# Altium PCB 电磁阀V4.0.PcbDoc (part 1 of 2)
Units mm, origin at the board's own origin, x right, y up, seen from the top; angles counter-clockwise.
Board outline 110.22 x 105.88 mm, 2 copper layers (Top Layer, Bottom Layer); 183 components, 127 nets, 583 pads, 106 vias.
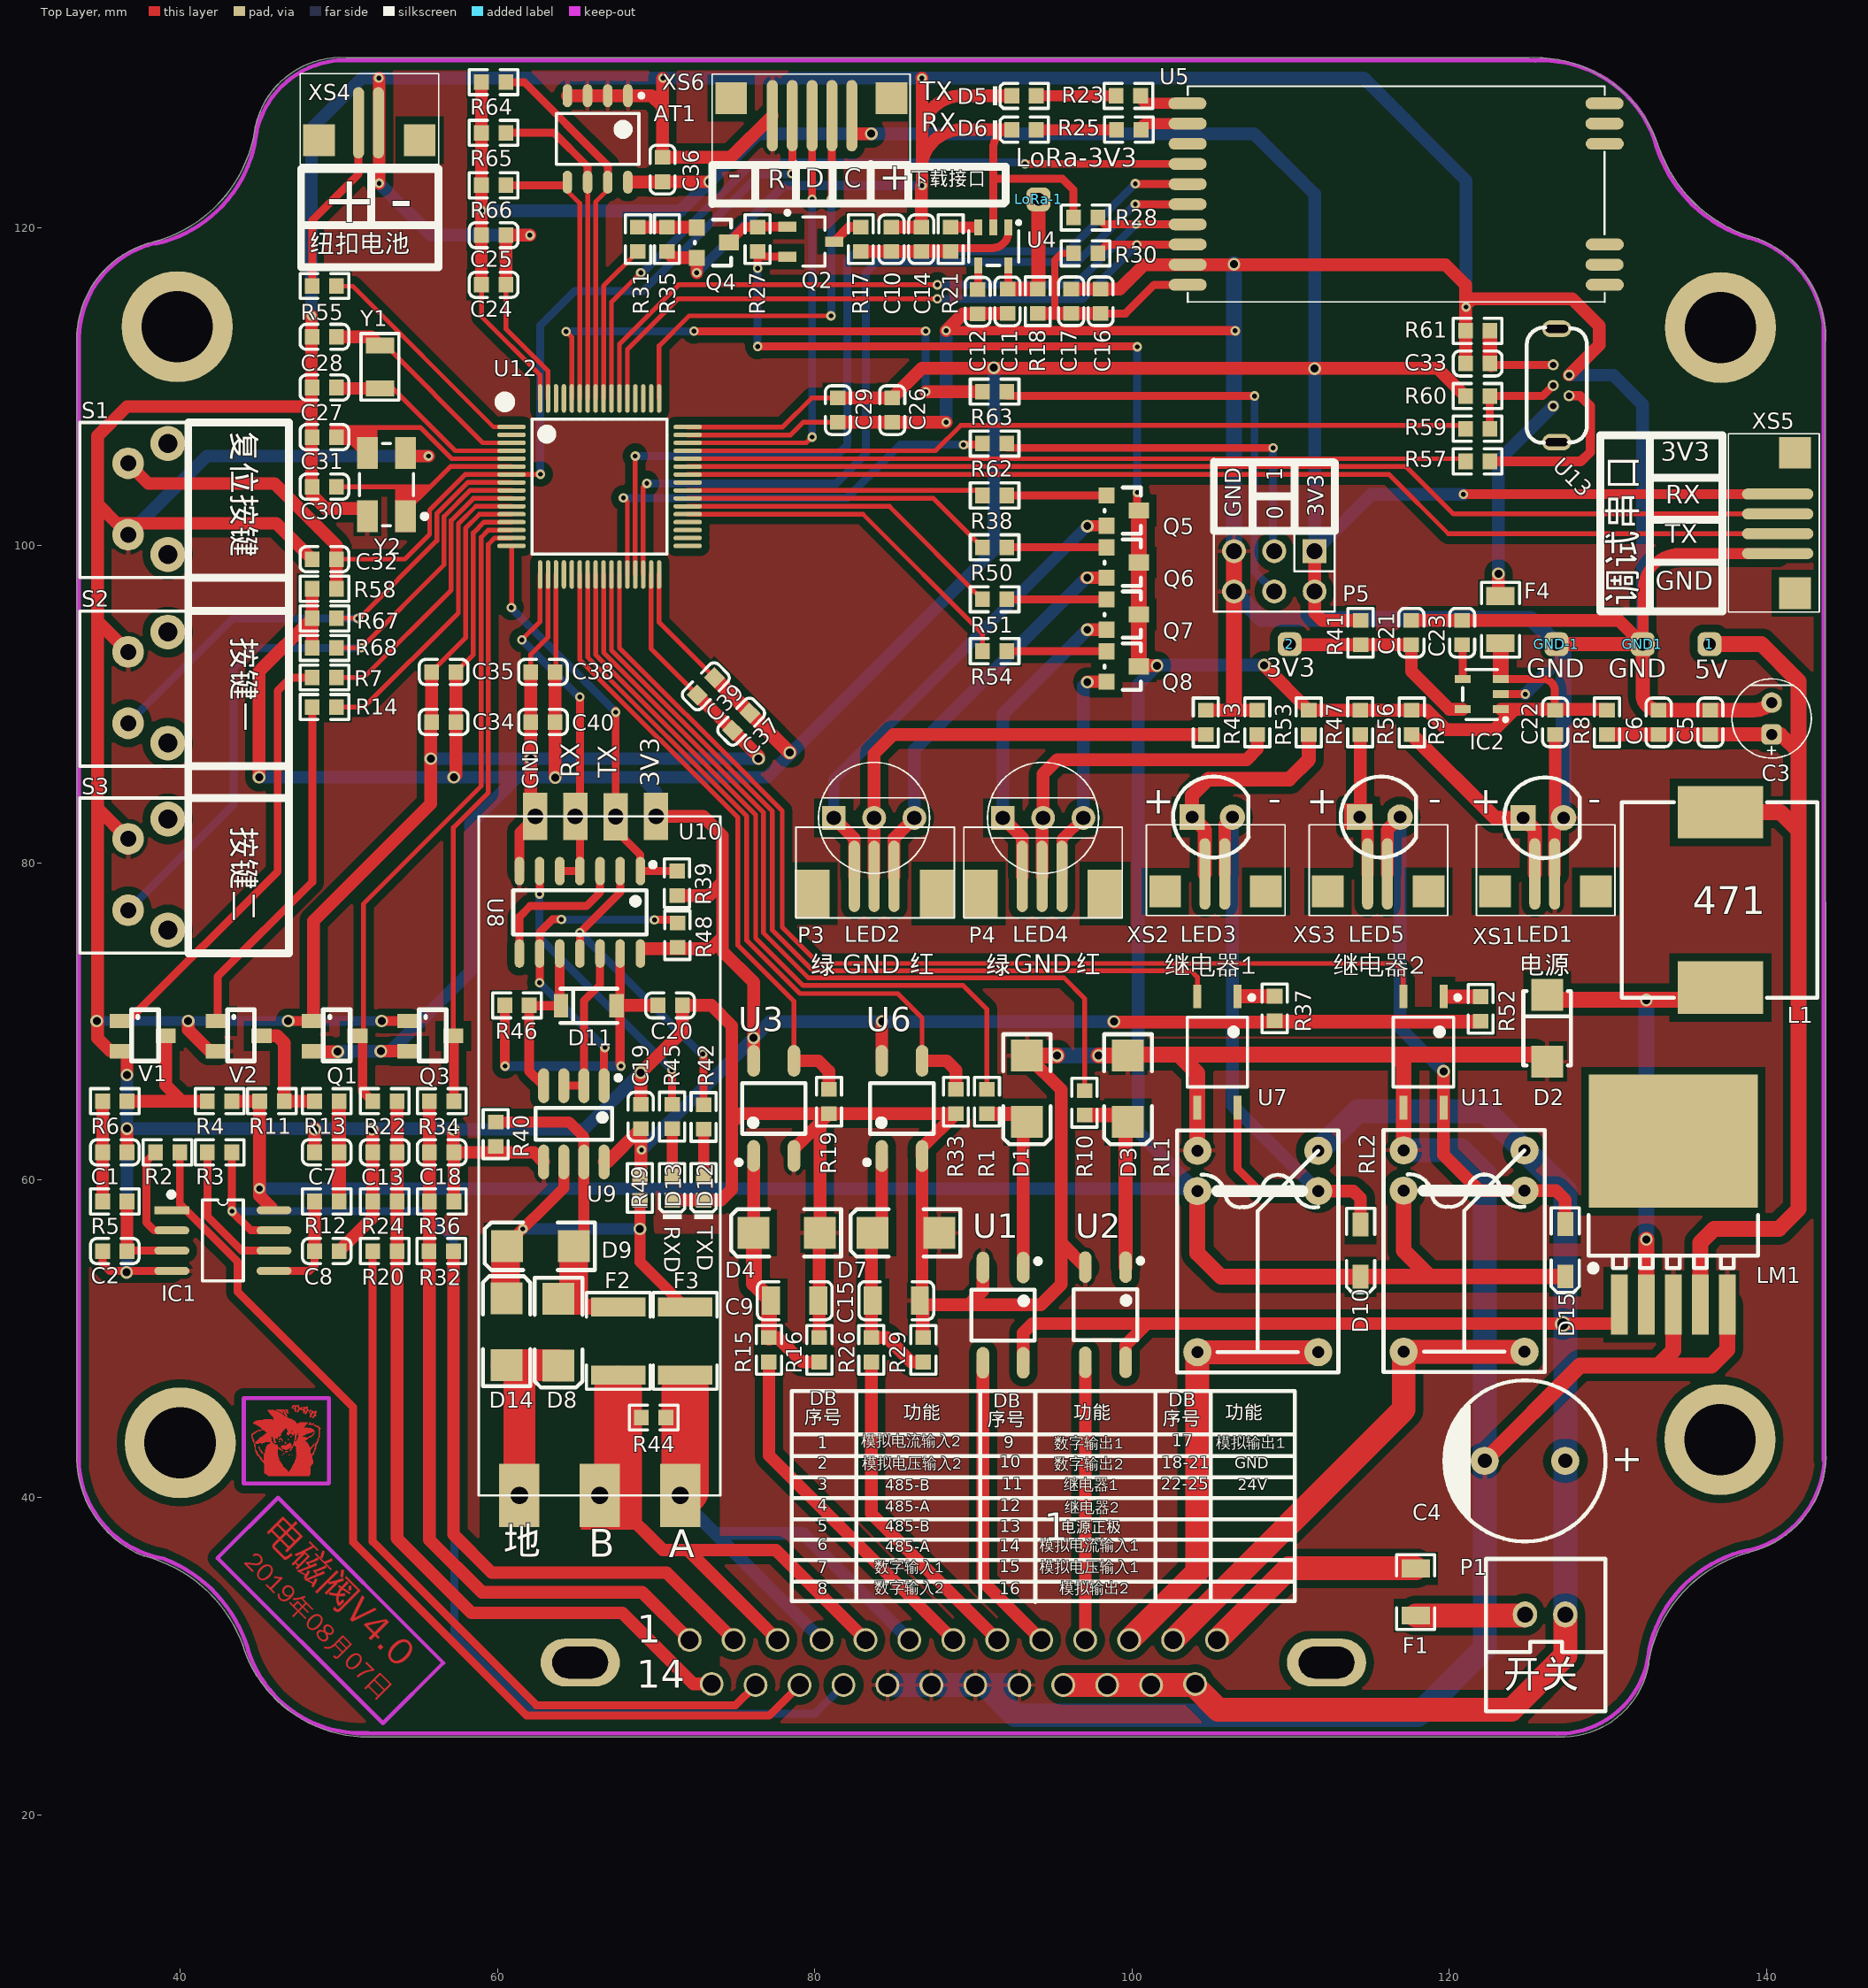
[diagram p0: Top Layer view]
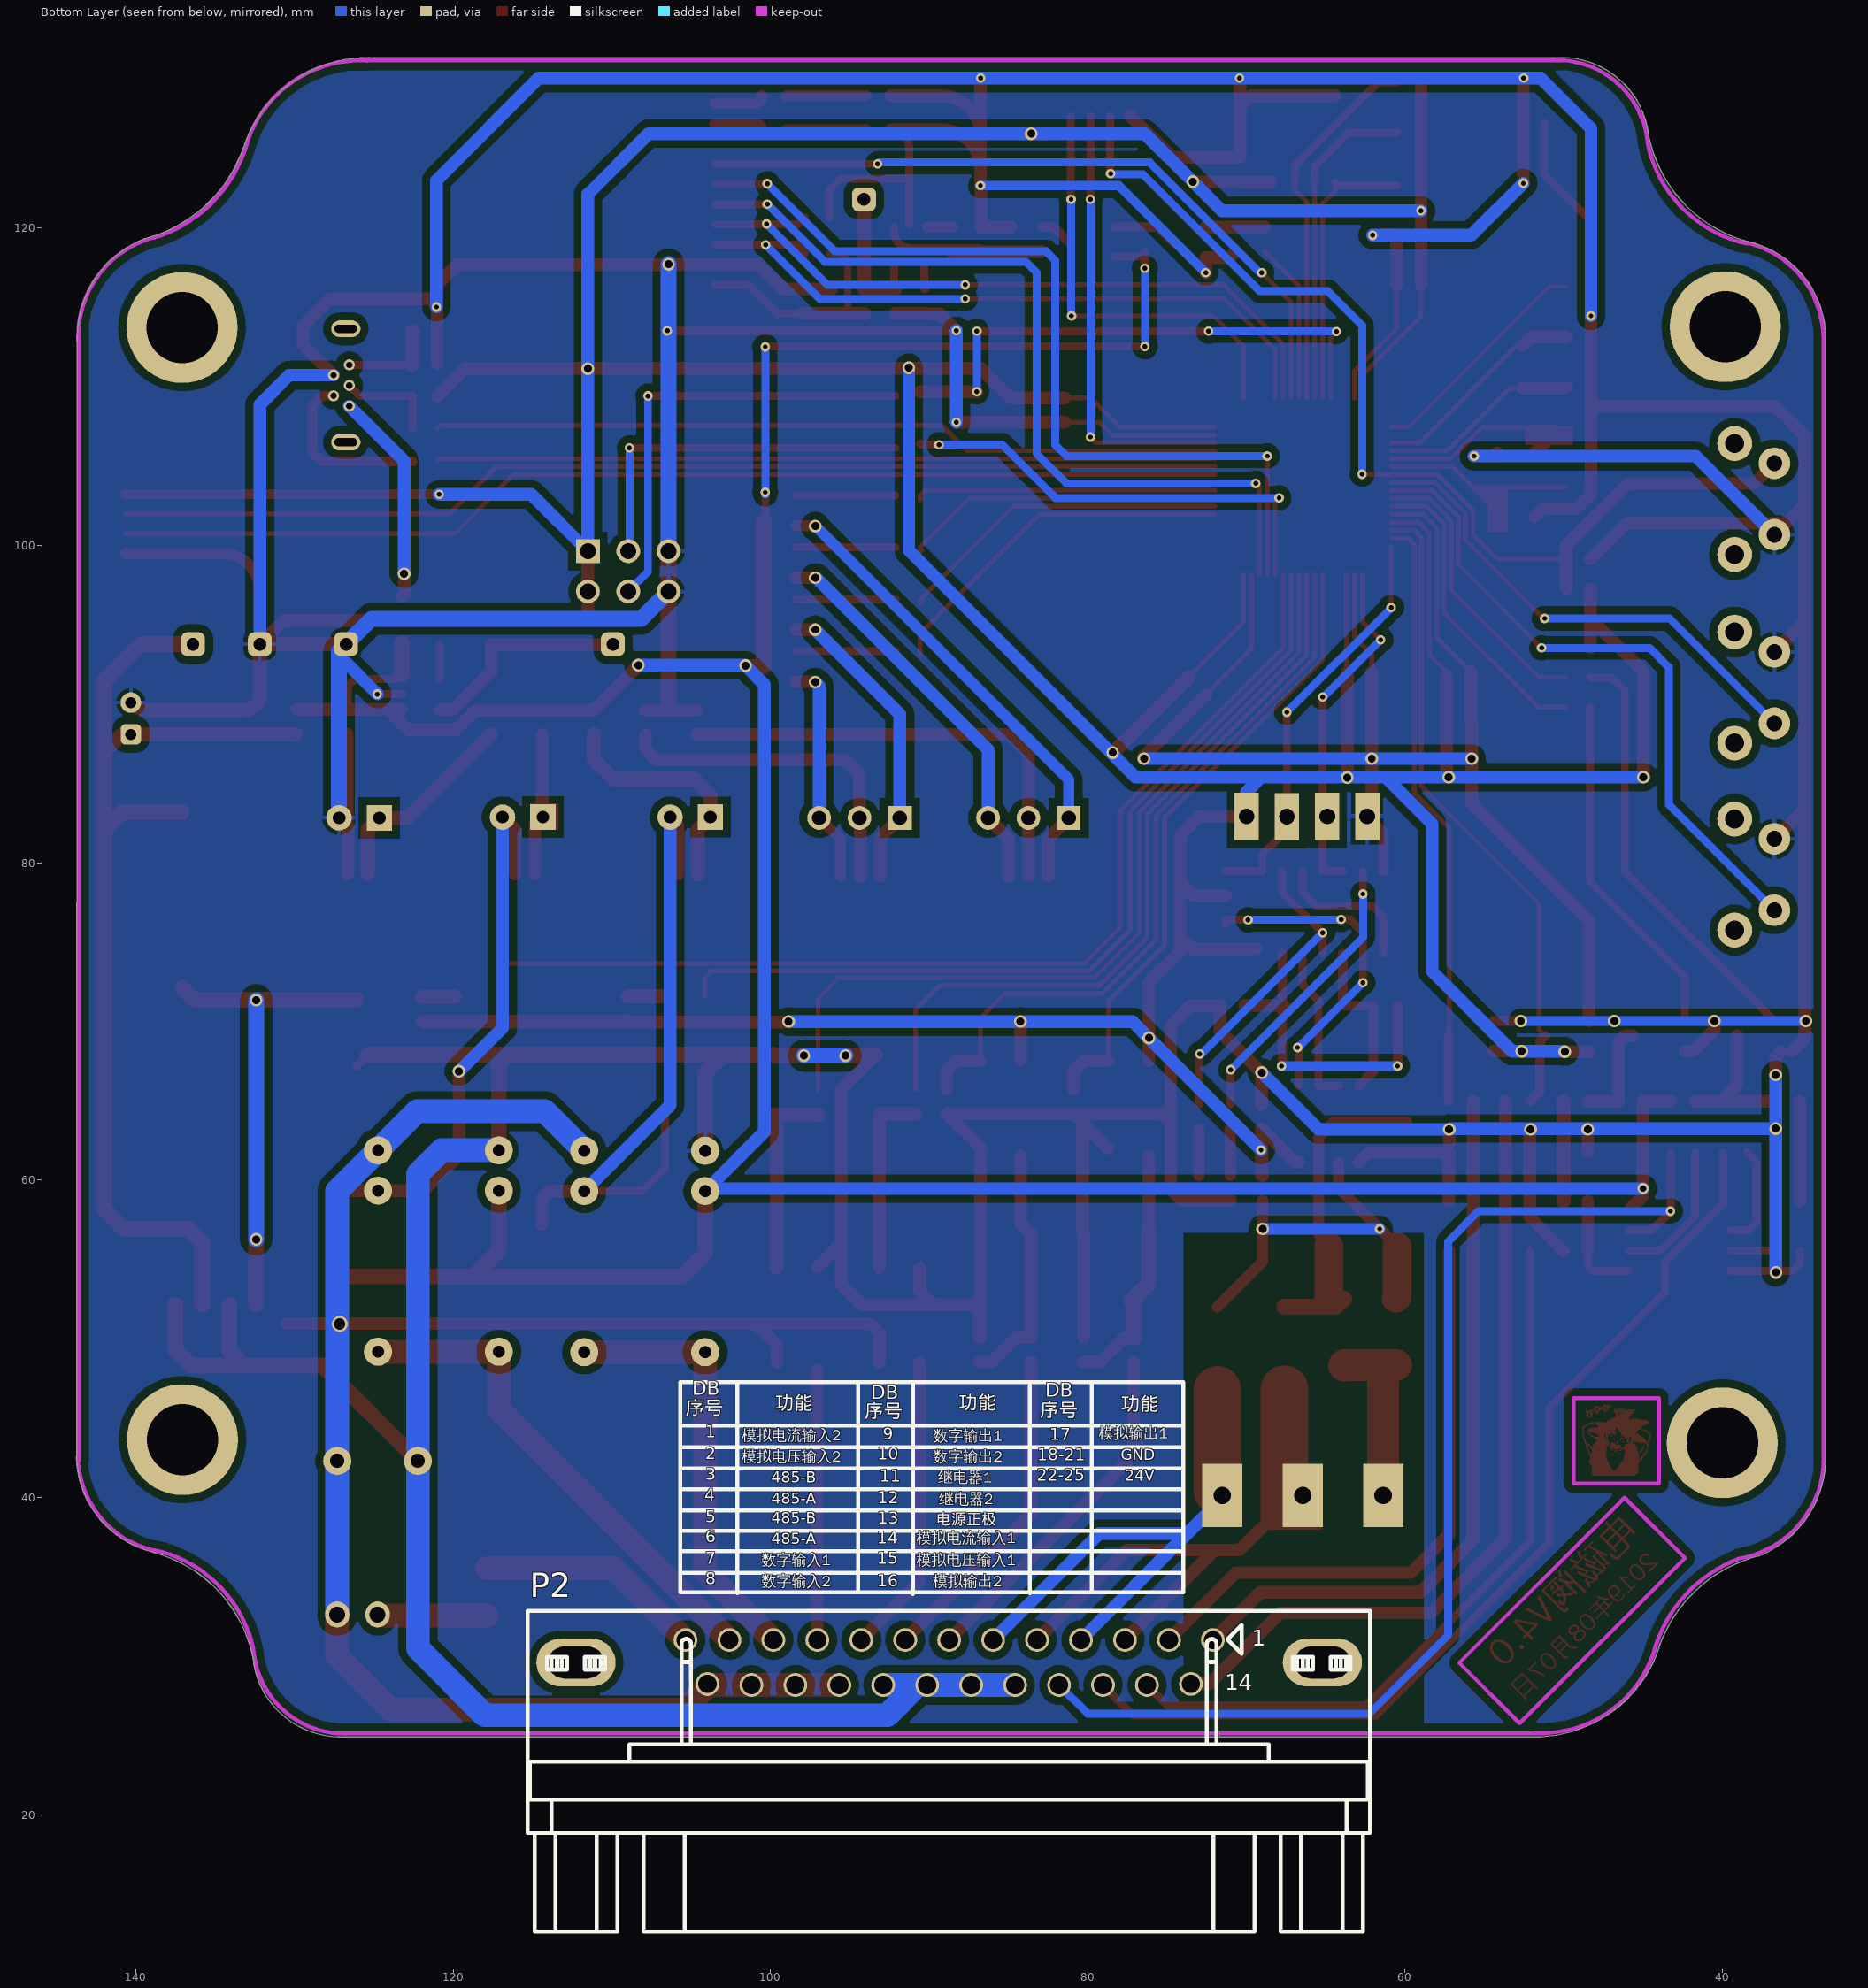
[diagram p1: Bottom Layer view, seen from below]
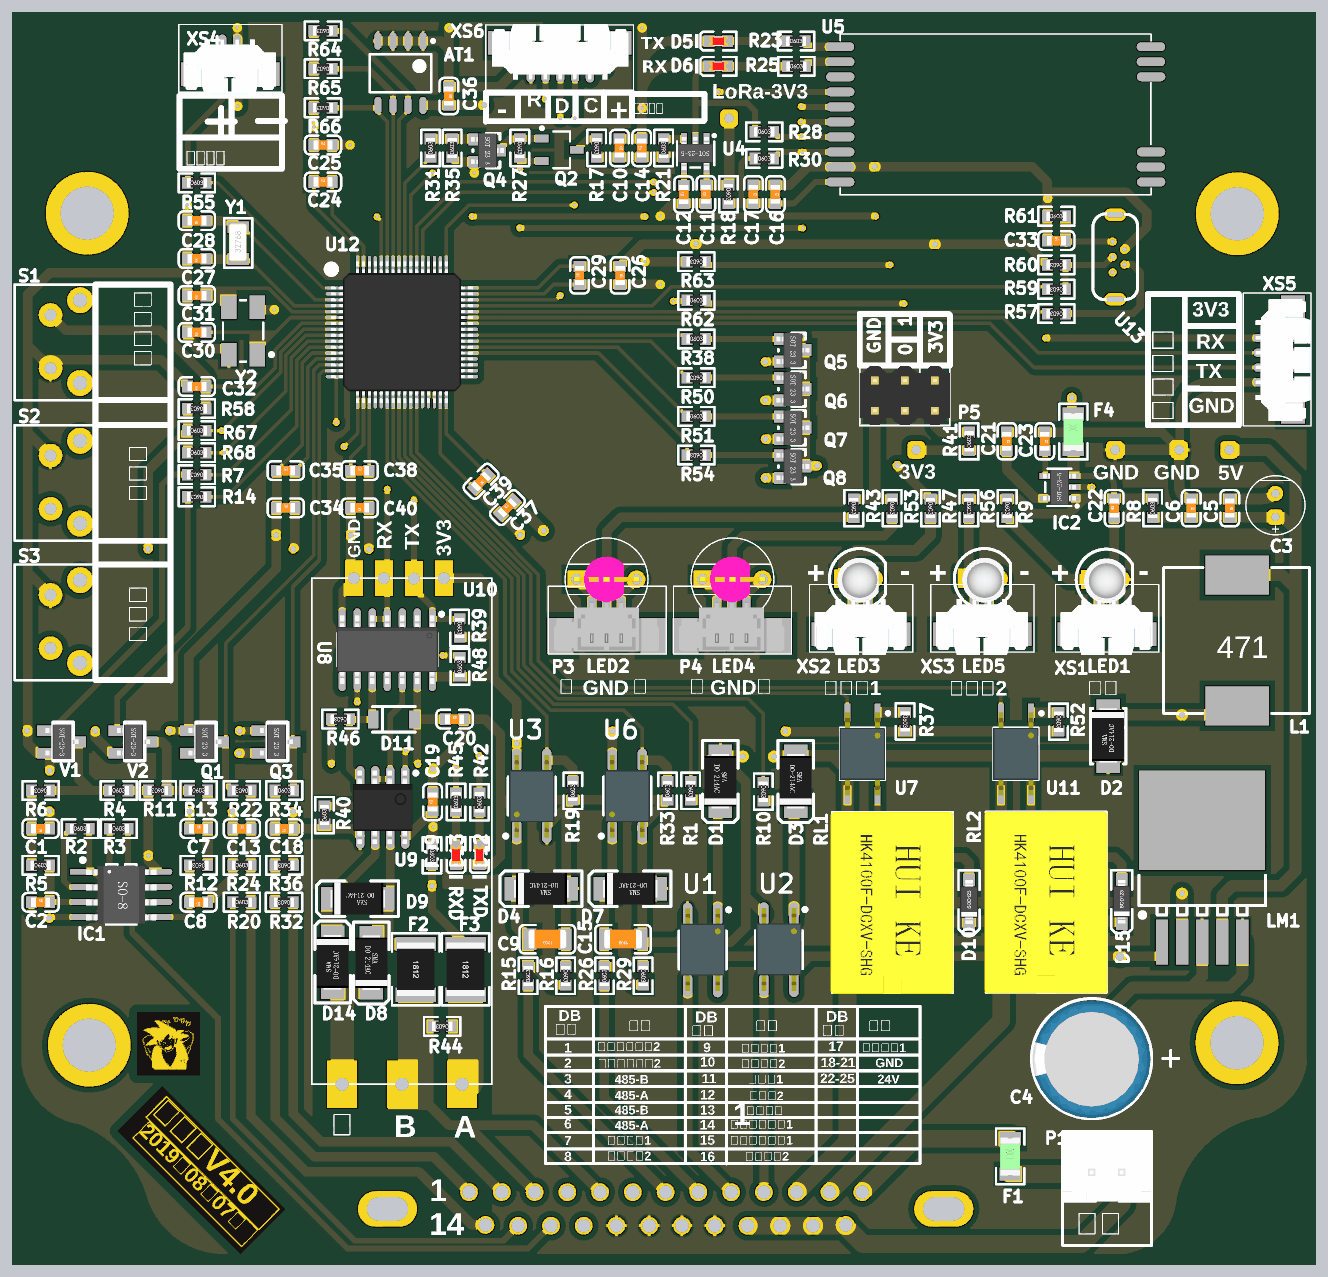
[diagram p3: 3D render of the assembled board from above, using the file's embedded part models]

## Layer stack, top to bottom
Top Layer: signal copper 0.0356
Dielectric: dielectric 0.32, FR-4, Dk 4.8
Bottom Layer: signal copper 0.0356

## Board outline
37.768,36.295 cw(c35.484,27.559) 43.994,30.577 ccw(c44.12,30.556) 43.999,30.515 ccw(c51.854,33.185) 51.412,24.901 ccw(c51.459,25.019) 51.459,24.892 51.64,24.892 ccw(c51.854,33.185) 52.069,24.892 126.822,24.892 ccw(c126.822,25.019) 126.859,24.897 ccw(c127.096,30.438) 132.561,29.493 ccw(c132.436,29.515) 132.563,29.515 ccw(c132.436,29.515) 132.551,29.569 cw(c141.114,28.136) 138.894,36.529 ccw(c138.862,36.652) 138.931,36.545 ccw(c137.427,42.659) 143.713,42.298 ccw(c143.587,42.316) 143.714,42.316 ccw(c143.587,42.316) 143.714,42.316 143.688,112.824 ccw(c136.981,113.097) 143.694,113.097 ccw(c136.981,113.097) 139.49,119.323 ccw(c139.442,119.205) 139.473,119.329 ccw(c141.733,128.071) 139.474,119.328 139.473,119.329 cw(c141.733,128.071) 133.192,125.14 cw(c141.733,128.071) 133.192,125.141 133.192,125.14 ccw(c125.337,122.47) 125.885,130.748 125.885,130.749 ccw(c125.833,130.632) 125.833,130.76 125.678,130.76 ccw(c125.337,122.47) 124.997,130.76 50.473,130.76 ccw(c50.165,125.222) 44.758,126.455 ccw(c44.871,126.398) 44.745,126.414 cw(c36.137,127.542) 44.739,126.372 ccw(c50.165,125.222) 44.7,126.167 ccw(c44.825,126.145) 44.701,126.118 cw(c36.137,127.542) 38.358,119.149 ccw(c39.789,113.017) 33.502,113.367 ccw(c33.63,113.36) 33.502,113.36 33.502,42.801 ccw(c40.209,42.529) 37.701,36.302 ccw(c37.748,36.421)

## Design rules (kind name [scope] priority, off if disabled: settings)
Clearance [All] p1: gap=0.5
ComponentClearance [All] p1: gap=0.254 collisioncheckmode=3 verticalgap=-1 showdistances=FALSE
HoleSize [All] p1: absolutevalues=TRUE maxlimit=100 minlimit=0.025 maxpercent=80.000 minpercent=20.000
HoleToHoleClearance [All] p1: gap=0 allowstackedmicrovias=TRUE
MinimumSolderMaskSliver [All] p1: minsoldermaskwidth=0
PolygonConnect [All] p1: connectstyle=Relief reliefconductorwidth=0.254 reliefentries=4 polygonreliefangle="90 Angle"
RoutingVias [All] p1: holewidth=1 width=3 viastyle="Through Hole" minholewidth=0.3 minwidth=0.6 maxholewidth=3 maxwidth=10
SilkToSilkClearance [All] p1: silktosilkclearance=0
SilkscreenOverComponentPads SilkToSolderMaskClearance [IsPad] p1: minsilkscreentomaskgap=0
SolderMaskExpansion [All] p1: expansion=0.102
Width [All] p1: maxlimit=100 minlimit=0.127 preferedwidth=5
22 further rules are at their usual default settings.

## Components (designator, comment, footprint, x,y, rotation, side; value= is the part's Value field where it differs from the comment)
1 "+5V" TEST_POINT 136.398,93.777 r0 top
2 "3.3V" TEST_POINT 109.931,93.777 r90 top
AT1 "AT24C02" AT24C02 66.319,125.628 r270 top
C1 "100nF (104) 10% 50V" LC-0603_C 35.89,61.747 r180 top
C2 "100nF (104) 10% 50V" LC-0603_C 35.89,55.524 r0 top
C3 "100uF/16V" CAP5*X 140.31,88.094 r90 top
C4 "680uF35V" C10X16 127.305,42.274 r0 top
C5 "10uF (106) 10% 10V" LC-0603_C 136.449,88.849 r270 top
C6 "100nF (104) 10% 50V" LC-0603_C 133.189,88.849 r270 top
C7 "100nF (104) 10% 50V" LC-0603_C 49.251,61.747 r0 top
C8 "100nF (104) 10% 50V" LC-0603_C 49.251,55.524 r180 top
C9 "10nF (103) 10% 1KV" LC-1206_C 78.74,52.4 r180 top
C10 "100nF (104) 10% 50V" LC-0603_C 86.716,119.304 r90 top
C11 "10uF (106) 10% 10V" LC-0603_C 92.151,115.392 r90 top
C12 "10nF (103) 10% 50V" LC-0603_C 90.272,115.367 r90 top
C13 "100nF (104) 10% 50V" LC-0603_C 52.908,61.747 r0 top
C14 "10uF (106) 10% 10V" LC-0603_C 84.836,119.304 r270 top
C15 "10nF (103) 10% 1KV" LC-1206_C 85.141,52.4 r180 top
C16 "10uF (106) 10% 10V" LC-0603_C 98.019,115.395 r270 top
C17 "100nF (104) 10% 50V" LC-0603_C 96.164,115.395 r270 top
C18 "100nF (104) 10% 50V" LC-0603_C 56.49,61.747 r180 top
C19 "100nF (104) 10% 50V" LC-0603_C 69.036,64.001 r90 top
C20 "100nF (104) 10% 50V" LC-0603_C 70.89,71.012 r0 top
C21 "1uF (105) 10% 50V" LC-0603_C 117.602,94.506 r270 top
C22 "1uF (105) 10% 50V" LC-0603_C 126.67,88.849 r90 top
C23 "22nF (223) 10% 50V" LC-0603_C 120.802,94.506 r270 top
C24 "10uF/10V" C-0603 59.766,116.434 r0 top
C25 "0.1uF/50V" C-0603 59.766,119.558 r0 top
C26 "0.1uF/50V" C-0603 84.887,108.534 r270 top
C27 "6pF/50V" C-0603 49.098,109.957 r180 top
C28 "6pF/50V" C-0603 49.098,113.157 r180 top
C29 "10uF/10V" C-0603 81.458,108.534 r90 top
C30 "20pF/50V" C-0603 49.098,103.708 r180 top
C31 "20pF/50V" C-0603 49.098,106.832 r180 top
C32 "0.1uF/50V" C-0603 49.098,99.136 r180 top
C33 "100nF (104) 10% 50V" LC-0603_C 121.783,111.475 r0 top
C34 "10uF/10V" C-0603 56.617,88.875 r0 top
C35 "0.1uF/50V" C-0603 56.617,92.024 r0 top
C36 "100nF (104) 10% 50V" LC-0603_C 70.409,123.698 r270 top
C37 "0.1uF/50V" C-0603 75.363,88.896 r45 top
C38 "0.1uF/50V" C-0603 62.873,92.024 r0 top
C39 "10uF/10V" C-0603 73.136,91.123 r225 top
C40 "10uF/10V" C-0603 62.873,88.875 r180 top
D1 "IN4007-M7" DO-214AC 93.37,65.811 r270 top
D2 "SS54" LC-SMA(DO-214AC)_S1 126.162,69.571 r270 top
D3 "IN4007-M7" DO-214AC 99.741,65.811 r270 top
D4 "IN4007-M7" DO-214AC 78.283,56.667 r180 top
D5 "红灯 0603" LC-0603_LED_S1 93.193,128.346 r0 top
D6 "绿灯 0603" LC-0603_LED_S1 93.193,126.213 r0 top
D7 "IN4007-M7" DO-214AC 85.801,56.667 r180 top
D8 "SMAJ6.5CA" DO-214AC 63.854,50.463 r270 top
D9 "SMAJ6.5CA" DO-214AC 62.763,55.829 r180 top
D10 "1N4148" SOD-123 114.402,55.55 r90 top
D11 "1N4148" LL-34 65.759,70.986 r0 top
D12 "红灯 0603" LC-0603_LED_S1 72.998,59.506 r90 top
D13 "蓝灯 0603" LC-0603_LED_S1 71.017,59.506 r90 top
D14 "SMAJ6.5CA" DO-214AC 60.578,50.387 r90 top
D15 "1N4148" SOD-123 127.305,55.575 r90 top
F1 "32V/5A" FUSE-1206 117.881,34.036 r270 top
F2 "0.1A 60V" R-1812 67.614,49.854 r270 top
F3 "0.1A 60V" R-1812 71.83,49.854 r270 top
F4 "32V/5A" FUSE-1206 123.215,95.326 r270 top
GND1 "GND" TEST_POINT 132.182,93.777 r90 top
GND-1 "3.3V" TEST_POINT 126.746,93.777 r90 top
IC1 "TLV2472" SOP8 39.483,58.1 r0 top
IC2 "RT9193-33GB" SOT23-5 120.898,89.611 r90 top
L1 "47uH ±20%" SMD,13.8X12.6X7MM 137.084,77.47 r180 top
LED1 "LED-5mm" LED_5MM 124.655,82.829 r0 top
LED2 "LED2_双色共阴" ˫ɫLED 81.204,82.829 r0 top
LED3 "LED-5mm" LED_5MM 103.784,82.88 r0 top
LED4 "LED2_双色共阴" ˫ɫLED 91.852,82.829 r0 top
LED5 "LED-5mm" LED_5MM 114.347,82.88 r0 top
LM1 "LM2596-5.0" LC-TO-263-5 134.112,52.146 r270 top
LoRa-1 "3.3V" TEST_POINT 94.107,121.818 r180 top
P1 "Harder_2" 2Pin-2.54A 124.762,32.614 r180 top
P2 "DB25" DB25 112.26,29.589 r180 bottom
P3 "3PIN 2.54" JXT-3-l 82.499,79.146 r270 top
P4 "3PIN 2.54" JXT-3-l 93.08,79.146 r270 top
P5 "2*3  2.54" 201S2X3 111.506,99.644 r180 top
Q1 "BAT54S" SOT-23-3 48.412,70.028 r270 top
Q2 "AO3401A P道沟 X13A15 SOT-23" LC-SOT-23-3L 79.756,119.151 r180 top
Q3 "BAT54S" SOT-23-3 54.458,70.028 r270 top
Q4 "SS8050" SOT-23 72.552,120.165 r270 top
Q5 "SS8050" SOT-23 98.384,103.273 r270 top
Q6 "SS8050" SOT-23 98.384,99.997 r270 top
Q7 "SS8050" SOT-23 98.384,96.72 r270 top
Q8 "SS8050" SOT-23 98.384,93.444 r270 top
R1 "510Ω (5100) ±1%" LC-0603_R 90.856,64.948 r270 top
R2 "200KΩ (2003) ±1%" LC-0603_R 39.218,61.747 r0 top
R3 "200KΩ (2003) ±1%" LC-0603_R 42.494,61.747 r0 top
R4 "2KΩ (2001) ±1%" LC-0603_R 42.494,64.973 r0 top
R5 "100KΩ (1003) ±1%" LC-0603_R 35.89,58.649 r0 top
R6 "100KΩ (1003) ±1%" LC-0603_R 35.89,64.973 r180 top
R7 "1KΩ (1001) ±1%" LC-0603_R 49.098,91.679 r180 top
R8 "0Ω (0R0) ±1%" LC-0603_R 129.929,88.849 r90 top
R9 "1KΩ (1001) ±1%" LC-0603_R 117.627,88.849 r270 top
R10 "510Ω (5100) ±1%" LC-0603_R 97.003,64.872 r270 top
R11 "2KΩ (2001) ±1%" LC-0603_R 45.796,64.973 r180 top
R12 "100KΩ (1003) ±1%" LC-0603_R 49.251,58.649 r180 top
R13 "100KΩ (1003) ±1%" LC-0603_R 49.251,64.973 r0 top
R14 "1KΩ (1001) ±1%" LC-0603_R 49.098,89.814 r180 top
R15 "510Ω (5100) ±1%" LC-0603_R 77.114,49.301 r90 top
R16 "510Ω (5100) ±1%" LC-0603_R 80.289,49.301 r270 top
R17 "0Ω (0R0) ±1%" LC-0603_R 82.906,119.304 r270 top
R18 "0Ω (0R0) ±1%" LC-0603_R 94.056,115.395 r270 top
R19 "4.7KΩ (4701) ±1%" LC-0603_R 80.899,64.948 r90 top
R20 "1.2KΩ (1201) ±1%" LC-0603_R 52.908,55.524 r0 top
R21 "100KΩ (1003) ±1%" LC-0603_R 88.57,119.304 r90 top
R22 "10KΩ (1002) ±1%" LC-0603_R 52.908,64.973 r180 top
R23 "2KΩ (2001) ±1%" LC-0603_R 99.771,128.346 r0 top
R24 "120Ω (1200) ±1%" LC-0603_R 52.908,58.649 r0 top
R25 "2KΩ (2001) ±1%" LC-0603_R 99.797,126.213 r0 top
R26 "510Ω (5100) ±1%" LC-0603_R 83.566,49.301 r90 top
R27 "100KΩ (1003) ±1%" LC-0603_R 76.403,119.304 r270 top
R28 "10KΩ (1002) ±1%" LC-0603_R 97.079,120.675 r0 top
R29 "510Ω (5100) ±1%" LC-0603_R 86.843,49.301 r270 top
R30 "10KΩ (1002) ±1%" LC-0603_R 97.079,118.415 r0 top
R31 "3.3KΩ (3301) ±1%" LC-0603_R 68.859,119.304 r90 top
R32 "1.2KΩ (1201) ±1%" LC-0603_R 56.464,55.524 r180 top
R33 "4.7KΩ (4701) ±1%" LC-0603_R 88.9,64.948 r90 top
R34 "10KΩ (1002) ±1%" LC-0603_R 56.49,64.973 r0 top
R35 "10KΩ (1002) ±1%" LC-0603_R 70.687,119.304 r90 top
R36 "120Ω (1200) ±1%" LC-0603_R 56.49,58.649 r180 top
R37 "330Ω (3300) ±1%" LC-0603_R 108.991,70.815 r270 top
R38 "1KΩ (1001) ±1%" LC-0603_R 91.338,103.154 r0 top
R39 "4.7KΩ (4701) ±1%" LC-0603_R 71.322,78.708 r270 top
R40 "4.7KΩ (4701) ±1%" LC-0603_R 59.893,62.89 r90 top
R41 "0Ω (0R0) ±1%" LC-0603_R 114.402,94.506 r90 top
R42 "1KΩ (1001) ±1%" LC-0603_R 72.998,63.976 r90 top
R43 "1KΩ (1001) ±1%" LC-0603_R 104.648,88.849 r270 top
R44 "120Ω (1200) ±1%" LC-0603_R 69.849,45.028 r180 top
R45 "1KΩ (1001) ±1%" LC-0603_R 71.017,64.001 r90 top
R46 "56KΩ (5602) ±1%" LC-0603_R 61.238,71.012 r180 top
R47 "1KΩ (1001) ±1%" LC-0603_R 111.138,88.849 r270 top
R48 "4.7KΩ (4701) ±1%" LC-0603_R 71.349,75.438 r90 top
R49 "4.7KΩ (4701) ±1%" LC-0603_R 68.985,59.498 r270 top
R50 "1KΩ (1001) ±1%" LC-0603_R 91.338,99.883 r180 top
R51 "1KΩ (1001) ±1%" LC-0603_R 91.338,96.611 r0 top
R52 "330Ω (3300) ±1%" LC-0603_R 121.971,70.79 r270 top
R53 "1KΩ (1001) ±1%" LC-0603_R 107.893,88.849 r270 top
R54 "1KΩ (1001) ±1%" LC-0603_R 91.338,93.34 r180 top
R55 "0R" R-0603 49.098,116.357 r0 top
R56 "1KΩ (1001) ±1%" LC-0603_R 114.383,88.849 r270 top
R57 "22Ω (22R0) ±1%" LC-0603_R 121.783,105.303 r180 top
R58 "10K" R-0603 49.098,97.272 r180 top
R59 "22Ω (22R0) ±1%" LC-0603_R 121.783,107.36 r180 top
R60 "1KΩ (1001) ±1%" LC-0603_R 121.783,109.418 r180 top
R61 "10KΩ (1002) ±1%" LC-0603_R 121.783,113.533 r0 top
R62 "10K" R-0603 91.338,106.426 r0 top
R63 "10K" R-0603 91.338,109.698 r180 top
R64 "10KΩ (1002) ±1%" LC-0603_R 59.766,129.21 r180 top
R65 "10KΩ (1002) ±1%" LC-0603_R 59.766,126.009 r180 top
R66 "10KΩ (1002) ±1%" LC-0603_R 59.766,122.707 r180 top
R67 "10KΩ (1002) ±1%" LC-0603_R 49.098,95.407 r0 top
R68 "10KΩ (1002) ±1%" LC-0603_R 49.098,93.543 r0 top
RL1 "HK4100F-DC5V-SHG" HK4100F-DC5V-SHG 104.115,61.849 r270 top
RL2 "HK4100F-DC5V-SHG" HK4100F-DC5V-SHG 117.119,61.874 r270 top
S1 "6*6*12" KEY-7.0*7.0 37.978,102.931 r90 top
S2 "6*6*12" KEY-7.0*7.0 37.978,91.044 r90 top
S3 "6*6*12" KEY-7.0*7.0 37.978,79.259 r90 top
U1 "TLP187" LC-SOP-4_P2.54 91.872,51.486 r270 top
U2 "TLP187" LC-SOP-4_P2.54 98.323,51.511 r270 top
U3 "TLP187" LC-SOP-4_P2.54 77.419,64.516 r90 top
U4 "CAT6219-330TD-GT3" SOT23-5 92.268,117.71 r180 top
U5 "M-KL9" M-KL9 104.124,127.864 r0 top
U6 "TLP187" LC-SOP-4_P2.54 85.496,64.516 r90 top
U7 "TLP187" "TLP187 - duplicate" 105.385,68.072 r270 top
U8 "74HC04D" SOIC-14_150MIL 65.201,76.879 r180 top
U9 "MAX485ESA" SOP-8_150MIL 64.82,63.544 r180 top
U10 "RS485模块" RS485MOD 74.045,82.925 r270 top locked
U11 "TLP187" "TLP187 - duplicate" 118.364,68.072 r270 top
U12 "STM32F103RCT6" LQFP-64_10X10X05P 66.442,103.721 r270 top
U13 "立式micro 5p USB插座" "USB插座 MICRO 5P" 126.543,110.088 r90 top
V1 "S8050" SOT-23-3 36.322,70.028 r270 top
V2 "S8050" SOT-23-3 42.367,70.028 r270 top
XS1 "2Pin 2.54" JXT-2 125.385,79.297 r270 top
XS2 "2Pin 2.54" JXT-2 104.592,79.297 r270 top
XS3 "2Pin 2.54" JXT-2 114.844,79.297 r270 top
XS4 "2Pin 2.54" JXT-2 51.252,126.644 r270 top
XS5 "1.27 4PIN" JXT-4 140.691,99.492 r0 top
XS6 "Header 2.54X4" JXT-5 82.336,127.094 r90 top
Y1 "32.768k" 3215_32.768K 52.603,111.252 r90 top
Y2 "8MHz ±20ppm 20pF" LC-SMD-5032_4P 53.01,103.835 r90 top
